# KiCad board poly_kb_molecule_16x5.kicad_pcb (continued)
## Routing (per net, layer and track width the routed paths; a pad name or vN(x,y) marks a point on that pad's centre or on a via; arc(x,y) is an arc through that point) (continued)
47.18,72.58 ; 172.72,72.67 172.92,72.87 ; J4#18.2 265.56,53.5 251.46,53.5 250.94,54.03 v1(250.94,54.07) 250.37,54.07 250.32,54.13 249.17,54.13 J3#80.2 ; 66.28,15.48 66.23,15.43 ; 153.67,91.72 153.87,91.92 ; 287.02,91.72 287.22,91.92 ; 210.82,91.72 211.02,91.92 ; 287.02,53.62 287.22,53.82 ; 153.67,53.62 153.87,53.82 ; 96.52,15.53 96.72,15.72 ; 210.82,72.67 211.02,72.87 ; 39.37,53.62 39.57,53.82 ; J4#53.2 56.01,91.6 41.91,91.6 41.39,92.13 v1(41.39,92.17) 40.82,92.17 40.77,92.23 39.62,92.23 J3#77.2 ; 20.32,91.72 20.52,91.92 ; 229.87,72.67 230.07,72.87 ; 20.32,72.67 20.52,72.87 ; 267.97,53.62 268.17,53.82 ; 248.92,34.58 249.12,34.77 ; 191.77,53.62 191.97,53.82 ; 39.37,34.58 39.57,34.77 ; 267.97,91.72 268.17,91.92 ; 134.62,15.53 134.82,15.72 ; 267.97,15.53 268.17,15.72 ; 191.77,72.67 191.97,72.87 ; 134.62,91.72 134.82,91.92 ; 172.72,91.72 172.92,91.92 ; 229.87,91.72 230.07,91.92 ; 58.42,91.72 58.62,91.92
  Top w1.5: J4#69.2 J3#38.2 ; J4#36.2 J3#8.2 ; J4#52.2 J3#22.2 ; J4#18.2 J3#34.2 ; J3#66.2 J4#12.2 ; J3#11.2 J4#5.2 ; J4#40.2 J3#9.2 ; J3#14.2 J4#35.2 ; J3#47.2 J4#50.2 ; J4#62.2 J3#16.2 ; J4#11.2 J3#27.2 ; J4#57.2 J3#74.2 ; J4#55.2 J3#68.2 ; J4#79.2 J3#77.2 ; J4#78.2 J3#26.2 ; J4#14.2 J3#43.2 ; J4#34.2 J3#65.2 ; J4#6.2 J3#80.2 ; J4#22.2 J3#67.2 ; J4#58.2 J3#23.2 ; J4#44.2 J3#25.2 ; J3#45.2 J4#53.2 ; J4#65.2 J3#63.2 ; J4#48.2 J3#79.2 ; J3#75.2 J4#37.2 ; J4#59.2 J3#13.2 ; J4#30.2 J3#73.2 ; J4#39.2 J3#60.2 ; J4#68.2 J3#35.2 ; J4#3.2 J3#36.2 ; J4#25.2 J3#17.2 ; J4#21.2 J3#6.2 ; J4#66.2 J3#61.2 ; J4#24.2 J3#56.2 ; J3#46.2 J4#8.2 ; J3#78.2 J4#76.2 ; J3#18.2 J4#41.2 ; J4#51.2 J3#10.2 ; J3#4.2 J4#64.2 ; J3#70.2 J4#49.2 ; J3#51.2 J4#45.2 ; J4.2 J3#40.2 ; J4#67.2 J3#58.2 ; J4#29.2 J3#59.2 ; J3#21.2 J4#42.2 ; J4#13.2 J3#44.2 ; J4#60.2 J3#15.2 ; J3#52.2 J4#73.2 ; J3#54.2 J4#15.2 ; J3#33.2 J4#71.2 ; J4#7.2 J3#24.2 ; J4#38.2 J3#5.2 ; J4#72.2 J3#30.2 ; J4#16.2 J3#2.2 ; J4#43.2 J3#53.2 ; J4#10.2 J3#49.2 ; J4#26.2 J3#32.2 ; J4#28.2 J3#3.2 ; J4#70.2 J3#28.2 ; J4#46.2 J3#76.2 ; J4#54.2 J3#72.2 ; J4#74.2 J3#48.2 ; J4#77.2 J3#71.2 ; J4#4.2 J3#19.2 ; J3#69.2 J4#23.2 ; J4#33.2 J3#7.2 ; J4#47.2 J3#42.2 ; J4#17.2 J3#50.2 ; J4#56.2 J3#12.2 ; J3#64.2 J4#61.2 ; J3#62.2 J4#27.2 ; J4#32.2 J3#37.2 ; J4#63.2 J3#55.2 ; J3#39.2 J4#9.2 ; J3#41.2 J4#20.2
  Bottom w0.25: v1(116.94,14.27) 116.94,13.75 117.37,13.32 117.74,13.32 ; v1(231.24,90.47) 231.24,89.95 231.67,89.52 232.04,89.52 ; 136.79,70.47 136.42,70.47 135.99,70.9 v1(135.99,71.42) ; v1(2.64,14.27) 2.64,13.75 3.07,13.32 3.44,13.32 ; 22.49,51.42 22.12,51.42 21.69,51.85 v1(21.69,52.37) ; 289.19,32.37 288.82,32.37 288.39,32.8 v1(288.39,33.32) ; v1(97.89,52.37) 97.89,51.85 98.32,51.42 98.69,51.42 ; 232.04,32.37 231.67,32.37 231.24,32.8 v1(231.24,33.32) ; 232.04,70.47 231.67,70.47 231.24,70.9 v1(231.24,71.42) ; v1(97.89,71.42) 97.89,70.9 98.32,70.47 98.69,70.47 ; v1(193.14,90.47) 193.14,89.95 193.57,89.52 193.94,89.52 ; 174.89,13.32 174.52,13.32 174.09,13.75 v1(174.09,14.27) ; v1(212.19,52.37) 212.19,51.85 212.62,51.42 212.99,51.42 ; 193.94,13.32 193.57,13.32 193.14,13.75 v1(193.14,14.27) ; v1(21.69,33.32) 21.69,32.8 22.12,32.37 22.49,32.37 ; 136.79,13.32 136.42,13.32 135.99,13.75 v1(135.99,14.27) ; v1(40.74,33.32) 40.74,32.8 41.17,32.37 41.54,32.37 ; 98.69,89.52 98.32,89.52 97.89,89.95 v1(97.89,90.47) ; 289.19,89.52 288.82,89.52 288.39,89.95 v1(288.39,90.47) ; v1(78.84,71.42) 78.84,70.9 79.27,70.47 79.64,70.47 ; v1(2.64,71.42) 2.64,70.9 3.07,70.47 3.44,70.47 ; v1(155.04,33.32) 155.04,32.8 155.47,32.37 155.84,32.37 ; v1(250.29,71.42) 250.29,70.9 250.72,70.47 251.09,70.47 ; 79.64,13.32 79.27,13.32 78.84,13.75 v1(78.84,14.27) ; 270.14,51.42 269.77,51.42 269.34,51.85 v1(269.34,52.37) ; v1(21.69,90.47) 21.69,89.95 22.12,89.52 22.49,89.52 ; v1(59.79,33.32) 59.79,32.8 60.22,32.37 60.59,32.37 ; v1(174.09,71.42) 174.09,70.9 174.52,70.47 174.89,70.47 ; 289.19,13.32 288.82,13.32 288.39,13.75 v1(288.39,14.27) ; 60.59,70.47 60.22,70.47 59.79,70.9 v1(59.79,71.42) ; 79.64,89.52 79.27,89.52 78.84,89.95 v1(78.84,90.47) ; v1(155.04,14.27) 155.04,13.75 155.47,13.32 155.84,13.32 ; 193.94,32.37 193.57,32.37 193.14,32.8 v1(193.14,33.32) ; v1(155.04,90.47) 155.04,89.95 155.47,89.52 155.84,89.52 ; 117.74,89.52 117.37,89.52 116.94,89.95 v1(116.94,90.47) ; v1(59.79,52.37) 59.79,51.85 60.22,51.42 60.59,51.42 ; v1(2.64,90.47) 2.64,89.95 3.07,89.52 3.44,89.52 ; v1(174.09,90.47) 174.09,89.95 174.52,89.52 174.89,89.52 ; v1(97.89,33.32) 97.89,32.8 98.32,32.37 98.69,32.37 ; v1(288.39,52.37) 288.39,51.85 288.82,51.42 289.19,51.42 ; 212.99,32.37 212.62,32.37 212.19,32.8 v1(212.19,33.32) ; 155.84,70.47 155.47,70.47 155.04,70.9 v1(155.04,71.42) ; 136.79,32.37 136.42,32.37 135.99,32.8 v1(135.99,33.32) ; 251.09,32.37 250.72,32.37 250.29,32.8 v1(250.29,33.32) ; 41.54,70.47 41.17,70.47 40.74,70.9 v1(40.74,71.42) ; 41.54,89.52 41.17,89.52 40.74,89.95 v1(40.74,90.47) ; v1(116.94,52.37) 116.94,51.85 117.37,51.42 117.74,51.42 ; v1(231.24,14.27) 231.24,13.75 231.67,13.32 232.04,13.32 ; 60.59,89.52 60.22,89.52 59.79,89.95 v1(59.79,90.47) ; 270.14,13.32 269.77,13.32 269.34,13.75 v1(269.34,14.27) ; 136.79,89.52 136.42,89.52 135.99,89.95 v1(135.99,90.47) ; 79.64,51.42 79.27,51.42 78.84,51.85 v1(78.84,52.37) ; v1(2.64,33.32) 2.64,32.8 3.07,32.37 3.44,32.37 ; v1(193.14,71.42) 193.14,70.9 193.57,70.47 193.94,70.47 ; v1(269.34,90.47) 269.34,89.95 269.77,89.52 270.14,89.52 ; 212.99,89.52 212.62,89.52 212.19,89.95 v1(212.19,90.47) ; v1(135.99,52.37) 135.99,51.85 136.42,51.42 136.79,51.42 ; 98.69,13.32 98.32,13.32 97.89,13.75 v1(97.89,14.27) ; 174.89,32.37 174.52,32.37 174.09,32.8 v1(174.09,33.32) ; v1(21.69,71.42) 21.69,70.9 22.12,70.47 22.49,70.47 ; 3.44,51.42 3.07,51.42 2.64,51.85 v1(2.64,52.37) ; 193.94,51.42 193.57,51.42 193.14,51.85 v1(193.14,52.37) ; 212.99,13.32 212.62,13.32 212.19,13.75 v1(212.19,14.27) ; v1(174.09,52.37) 174.09,51.85 174.52,51.42 174.89,51.42 ; v1(40.74,14.27) 40.74,13.75 41.17,13.32 41.54,13.32 ; v1(231.24,52.37) 231.24,51.85 231.67,51.42 232.04,51.42 ; v1(78.84,33.32) 78.84,32.8 79.27,32.37 79.64,32.37 ; 270.14,70.47 269.77,70.47 269.34,70.9 v1(269.34,71.42) ; 270.14,32.37 269.77,32.37 269.34,32.8 v1(269.34,33.32) ; v1(116.94,33.32) 116.94,32.8 117.37,32.37 117.74,32.37 ; 117.74,70.47 117.37,70.47 116.94,70.9 v1(116.94,71.42) ; v1(155.04,52.37) 155.04,51.85 155.47,51.42 155.84,51.42 ; 251.09,13.32 250.72,13.32 250.29,13.75 v1(250.29,14.27) ; v1(40.74,52.37) 40.74,51.85 41.17,51.42 41.54,51.42 ; 22.49,13.32 22.12,13.32 21.69,13.75 v1(21.69,14.27) ; 289.19,70.47 288.82,70.47 288.39,70.9 v1(288.39,71.42) ; v1(212.19,71.42) 212.19,70.9 212.62,70.47 212.99,70.47 ; 251.09,89.52 250.72,89.52 250.29,89.95 v1(250.29,90.47) ; 60.59,13.32 60.22,13.32 59.79,13.75 v1(59.79,14.27) ; v1(250.29,52.37) 250.29,51.85 250.72,51.42 251.09,51.42
  Bottom w0.3: v1(79.49,92.17) 79.29,91.98 C3#35.1 ; J1#41.9 9.77,15.92 9.57,16.13 v1(9.27,16.13) ; C3#53.1 22.14,15.78 v1(22.34,15.97) ; v1(22.34,73.12) 22.14,72.93 C3#61.1 ; J1#79.9 295.52,92.12 295.32,92.33 v1(295.02,92.33) ; J1#61.9 238.38,92.12 238.17,92.33 v1(237.87,92.33) ; J1#53.9 124.07,92.12 123.87,92.33 v1(123.57,92.33) ; v1(104.52,73.28) 104.82,73.28 105.03,73.08 J1#33.9 ; v1(212.84,73.12) 212.64,72.93 C3#43.1 ; v1(250.94,15.97) 250.74,15.78 C3#27.1 ; C3#74.1 98.34,15.78 v1(98.54,15.97) ; v1(136.64,54.07) 136.44,53.88 C3#7.1 ; v1(289.04,73.12) 288.84,72.93 C3#5.1 ; C3#59.1 79.29,34.83 v1(79.49,35.02) ; J1#23.9 143.12,15.92 142.92,16.13 v1(142.62,16.13) ; v1(269.99,35.02) 269.79,34.83 C3#40.1 ; C3#58.1 117.39,91.98 v1(117.59,92.17) ; J1#65.9 66.92,73.08 66.72,73.28 v1(66.42,73.28) ; v1(79.49,54.07) 79.29,53.88 C3#36.1 ; J1#67.9 181.22,54.02 181.02,54.23 v1(180.72,54.23) ; J1#17.9 47.88,54.02 47.67,54.23 v1(47.37,54.23) ; v1(269.99,92.17) 269.79,91.98 C3#66.1 ; v1(66.42,92.33) 66.72,92.33 66.92,92.12 J1#35.9 ; v1(155.69,92.17) 155.49,91.98 C3#48.1 ; v1(295.02,73.28) 295.32,73.28 295.52,73.08 J1#52.9 ; C3#67.1 288.84,15.78 v1(289.04,15.97) ; v1(60.44,73.12) 60.24,72.93 C3#78.1 ; v1(3.29,54.07) 3.09,53.88 C3#60.1 ; C3#49.1 250.74,53.88 v1(250.94,54.07) ; v1(47.37,35.18) 47.67,35.18 47.88,34.97 J1#69.9 ; v1(28.32,73.28) 28.62,73.28 28.83,73.08 J1#58.9 ; v1(231.89,15.97) 231.69,15.78 C3#9.1 ; v1(218.82,73.28) 219.12,73.28 219.32,73.08 J1#72.9 ; v1(256.92,16.13) 257.22,16.13 257.43,15.92 J1#46.9 ; v1(289.04,35.02) 288.84,34.83 C3#21.1 ; C3.1 3.09,91.98 v1(3.29,92.17) ; v1(28.32,54.23) 28.62,54.23 28.83,54.02 J1#43.9 ; C3#57.1 79.29,72.93 v1(79.49,73.12) ; J1#75.9 219.32,92.12 219.12,92.33 v1(218.82,92.33) ; v1(193.79,54.07) 193.59,53.88 C3#76.1 ; v1(47.37,73.28) 47.67,73.28 47.88,73.08 J1#5.9 ; C3#63.1 117.39,15.78 v1(117.59,15.97) ; v1(3.29,15.97) 3.09,15.78 C3#47.1 ; C3#20.1 155.49,15.78 v1(155.69,15.97) ; C3#62.1 3.09,34.83 v1(3.29,35.02) ; v1(98.54,92.17) 98.34,91.98 C3#65.1 ; J1#54.9 257.43,92.12 257.22,92.33 v1(256.92,92.33) ; J1#28.9 143.12,73.08 142.92,73.28 v1(142.62,73.28) ; C3#24.1 250.74,91.98 v1(250.94,92.17) ; v1(193.79,15.97) 193.59,15.78 C3#30.1 ; v1(22.34,54.07) 22.14,53.88 C3#46.1 ; v1(161.67,35.18) 161.97,35.18 162.18,34.97 J1#16.9 ; v1(295.02,16.13) 295.32,16.13 295.52,15.92 J1#44.9 ; J1#18.9 181.22,92.12 181.02,92.33 v1(180.72,92.33) ; v1(275.97,16.13) 276.27,16.13 276.48,15.92 J1#24.9 ; J1#29.9 276.48,92.12 276.27,92.33 v1(275.97,92.33) ; J1#37.9 124.07,73.08 123.87,73.28 v1(123.57,73.28) ; v1(136.64,92.17) 136.44,91.98 C3#22.1 ; v1(180.72,35.18) 181.02,35.18 181.22,34.97 J1#19.9 ; v1(161.67,16.13) 161.97,16.13 162.18,15.92 J1#68.9 ; C3#69.1 60.24,15.78 v1(60.44,15.97) ; v1(9.27,35.18) 9.57,35.18 9.77,34.97 J1#7.9 ; J1#10.9 200.28,15.92 200.07,16.13 v1(199.77,16.13) ; v1(9.27,54.23) 9.57,54.23 9.77,54.02 J1#12.9 ; v1(212.84,15.97) 212.64,15.78 C3#41.1 ; v1(98.54,73.12) 98.34,72.93 C3#44.1 ; C3#18.1 212.64,53.88 v1(212.84,54.07) ; v1(275.97,54.23) 276.27,54.23 276.48,54.02 J1#78.9 ; C3#6.1 250.74,34.83 v1(250.94,35.02) ; J1#47.9 28.83,92.12 28.62,92.33 v1(28.32,92.33) ; C3#75.1 41.19,34.83 v1(41.39,35.02) ; J1#71.9 85.97,73.08 85.77,73.28 v1(85.47,73.28) ; J1#32.9 257.43,34.97 257.22,35.18 v1(256.92,35.18) ; v1(269.99,54.07) 269.79,53.88 C3#28.1 ; v1(193.79,73.12) 193.59,72.93 C3#8.1 ; v1(155.69,35.02) 155.49,34.83 C3#56.1 ; v1(269.99,15.97) 269.79,15.78 C3#39.1 ; v1(104.52,54.23) 104.82,54.23 105.03,54.02 J1#8.9 ; J1#26.9 200.28,34.97 200.07,35.18 v1(199.77,35.18) ; J1#14.9 200.28,73.08 200.07,73.28 v1(199.77,73.28) ; v1(117.59,73.12) 117.39,72.93 C3#45.1 ; C3#73.1 3.09,72.93 v1(3.29,73.12) ; v1(85.47,16.13) 85.77,16.13 85.97,15.92 J1#51.9 ; C3#70.1 231.69,72.93 v1(231.89,73.12) ; J1#55.9 47.88,15.92 47.67,16.13 v1(47.37,16.13) ; J1#70.9 66.92,54.02 66.72,54.23 v1(66.42,54.23) ; v1(295.02,35.18) 295.32,35.18 295.52,34.97 J1#49.9 ; v1(123.57,16.13) 123.87,16.13 124.07,15.92 J1#11.9 ; v1(85.47,92.33) 85.77,92.33 85.97,92.12 J1#22.9 ; v1(22.34,92.17) 22.14,91.98 C3#71.1 ; v1(256.92,54.23) 257.22,54.23 257.43,54.02 J1#66.9 ; v1(104.52,35.18) 104.82,35.18 105.03,34.97 J1#80.9 ; J1#48.9 238.38,54.02 238.17,54.23 v1(237.87,54.23) ; C3#26.1 288.84,53.88 v1(289.04,54.07) ; C3#4.1 250.74,72.93 v1(250.94,73.12) ; J1#45.9 295.52,54.02 295.32,54.23 v1(295.02,54.23) ; J1#56.9 143.12,34.97 142.92,35.18 v1(142.62,35.18) ; C3#15.1 231.69,53.88 v1(231.89,54.07) ; v1(41.39,15.97) 41.19,15.78 C3#54.1 ; v1(142.62,92.33) 142.92,92.33 143.12,92.12 J1#63.9 ; v1(174.74,73.12) 174.54,72.93 C3#10.1 ; J1#36.9 124.07,54.02 123.87,54.23 v1(123.57,54.23) ; J1#34.9 276.48,73.08 276.27,73.28 v1(275.97,73.28) ; J1#9.9 257.43,73.08 257.22,73.28 v1(256.92,73.28) ; v1(79.49,15.97) 79.29,15.78 C3#42.1 ; v1(66.42,35.18) 66.72,35.18 66.92,34.97 J1#4.9 ; C3#13.1 231.69,34.83 v1(231.89,35.02) ; J1.9 9.77,92.12 9.57,92.33 v1(9.27,92.33) ; J1#40.9 219.32,54.02 219.12,54.23 v1(218.82,54.23) ; C3#64.1 60.24,34.83 v1(60.44,35.02) ; J1#42.9 181.22,15.92 181.02,16.13 v1(180.72,16.13) ; v1(199.77,92.33) 200.07,92.33 200.28,92.12 J1#31.9 ; v1(155.69,73.12) 155.49,72.93 C3#11.1 ; C3#3.1 231.69,91.98 v1(231.89,92.17) ; C3#19.1 117.39,34.83 v1(117.59,35.02) ; v1(269.99,73.12) 269.79,72.93 C3#80.1 ; v1(47.37,92.33) 47.67,92.33 47.88,92.12 J1#13.9 ; v1(174.74,54.07) 174.54,53.88 C3#79.1 ; C3#31.1 136.44,72.93 v1(136.64,73.12) ; J1#59.9 105.03,15.92 104.82,16.13 v1(104.52,16.13) ; C3#12.1 60.24,91.98 v1(60.44,92.17) ; J1#25.9 162.18,92.12 161.97,92.33 v1(161.67,92.33) ; v1(9.27,73.28) 9.57,73.28 9.77,73.08 J1#77.9 ; v1(237.87,16.13) 238.17,16.13 238.38,15.92 J1#73.9 ; J1#2.9 276.48,34.97 276.27,35.18 v1(275.97,35.18) ; v1(180.72,73.28) 181.02,73.28 181.22,73.08 J1#62.9 ; v1(85.47,35.18) 85.77,35.18 85.97,34.97 J1#74.9 ; v1(41.39,73.12) 41.19,72.93 C3#29.1 ; J1#3.9 28.83,34.97 28.62,35.18 v1(28.32,35.18) ; v1(199.77,54.23) 200.07,54.23 200.28,54.02 J1#64.9 ; v1(85.47,54.23) 85.77,54.23 85.97,54.02 J1#38.9 ; v1(60.44,54.07) 60.24,53.88 C3#2.1 ; v1(193.79,35.02) 193.59,34.83 C3#68.1 ; C3#37.1 155.49,53.88 v1(155.69,54.07) ; J1#76.9 105.03,92.12 104.82,92.33 v1(104.52,92.33) ; v1(237.87,73.28) 238.17,73.28 238.38,73.08 J1#39.9 ; J1#27.9 162.18,54.02 161.97,54.23 v1(161.67,54.23) ; v1(218.82,16.13) 219.12,16.13 219.32,15.92 J1#21.9 ; v1(174.74,92.17) 174.54,91.98 C3#34.1 ; J1#50.9 219.32,34.97 219.12,35.18 v1(218.82,35.18) ; C3#51.1 136.44,34.83 v1(136.64,35.02) ; C3#77.1 288.84,91.98 v1(289.04,92.17) ; v1(142.62,54.23) 142.92,54.23 143.12,54.02 J1#15.9 ; v1(212.84,35.02) 212.64,34.83 C3#25.1 ; C3#17.1 174.54,15.78 v1(174.74,15.97) ; C3#55.1 117.39,53.88 v1(117.59,54.07) ; C3#14.1 212.64,91.98 v1(212.84,92.17) ; J1#57.9 66.92,15.92 66.72,16.13 v1(66.42,16.13) ; C3#33.1 136.44,15.78 v1(136.64,15.97) ; J1#20.9 28.83,15.92 28.62,16.13 v1(28.32,16.13) ; J1#60.9 238.38,34.97 238.17,35.18 v1(237.87,35.18) ; C3#72.1 41.19,53.88 v1(41.39,54.07) ; v1(174.74,35.02) 174.54,34.83 C3#23.1 ; C3#16.1 98.34,34.83 v1(98.54,35.02) ; v1(98.54,54.07) 98.34,53.88 C3#52.1 ; v1(123.57,35.18) 123.87,35.18 124.07,34.97 J1#6.9 ; C3#50.1 22.14,34.83 v1(22.34,35.02) ; v1(41.39,92.17) 41.19,91.98 C3#32.1 ; C3#38.1 193.59,91.98 v1(193.79,92.17) ; v1(161.67,73.28) 161.97,73.28 162.18,73.08 J1#30.9
